# Altium PCB thermal_cam_sensor_jlc.PcbDoc (part 2 of 5)
Units mm, origin at the board's own origin, x right, y up, seen from the top; angles counter-clockwise.
Board outline 100 x 100 mm, 6 copper layers (Top Layer, GND1, Power1, Power2, GND2, Bottom Layer), stack 1.538 mm thick; 1209 components, 122 nets, 3633 pads, 2406 vias.
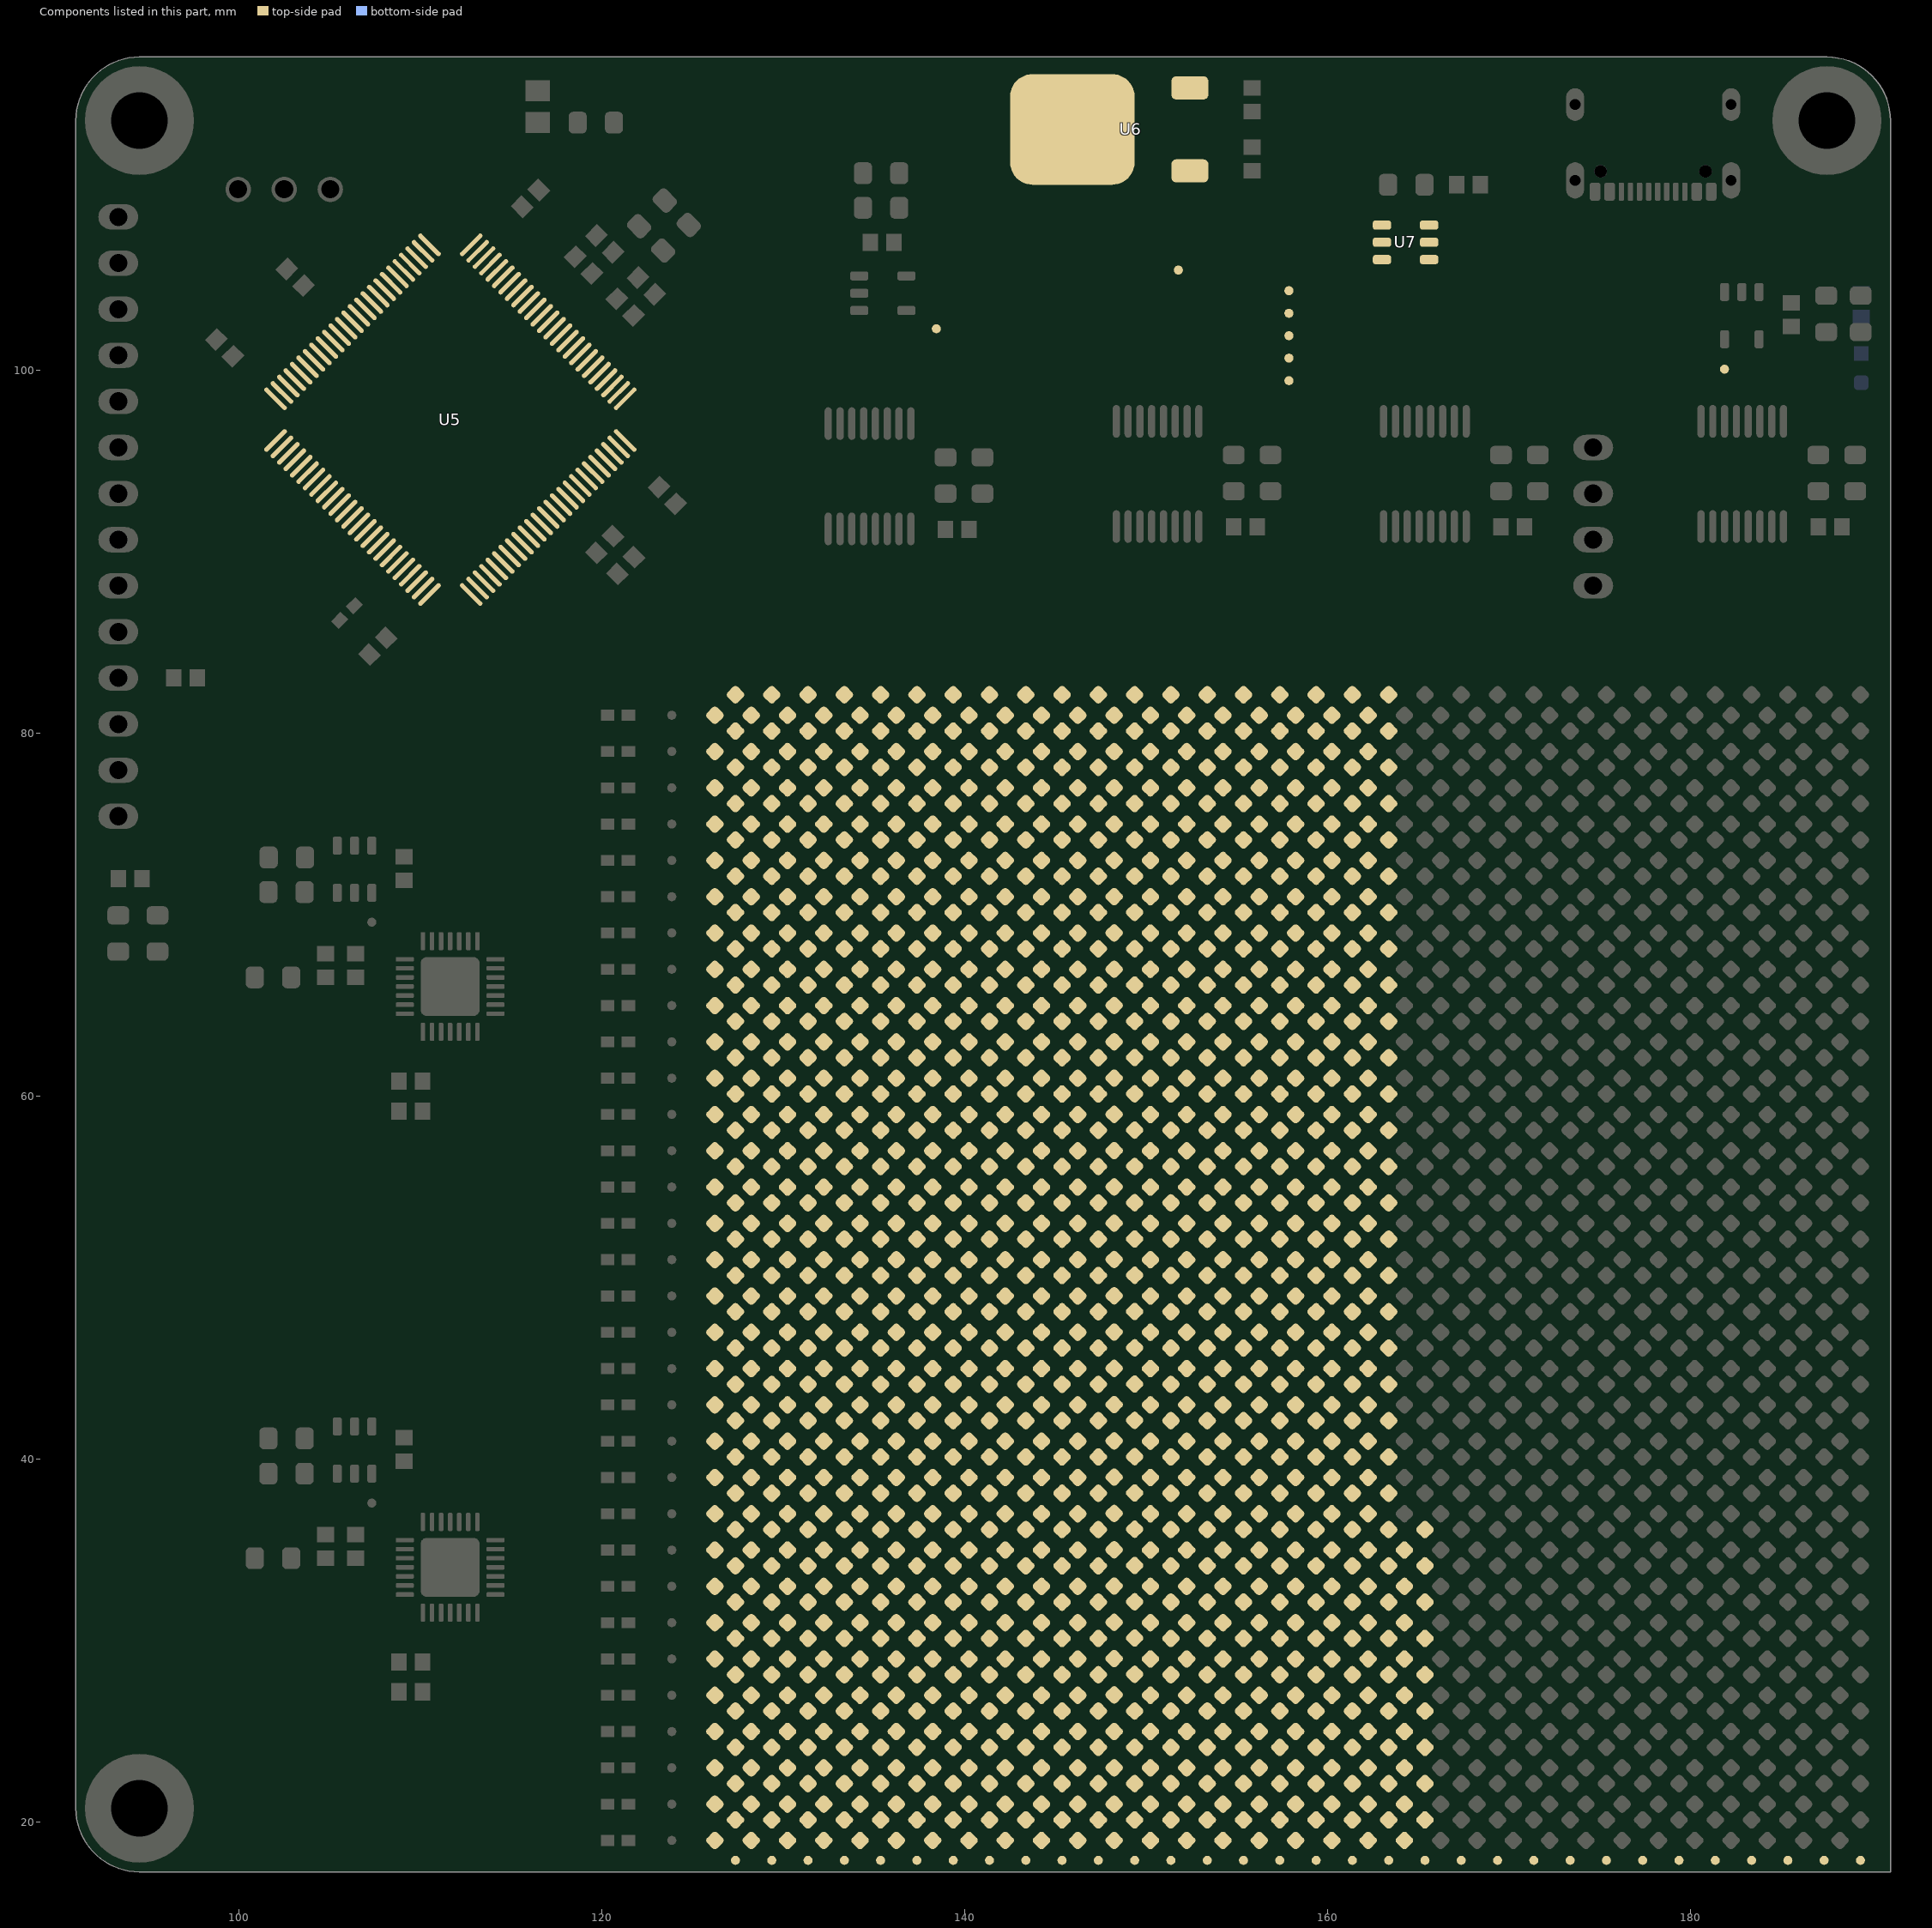
[diagram p6: the components of this part, seen from the top]

## Components (designator, comment, footprint, x,y, rotation, side; value= is the part's Value field where it differs from the comment) (continued)
T408 "B19H1PT--H9C000214U1930" LED0603W 164.791,35.568 r225 top
T409 "B19H1PT--H9C000214U1930" LED0603W 164.791,33.568 r225 top
T410 "B19H1PT--H9C000214U1930" LED0603W 164.791,31.568 r225 top
T411 "B19H1PT--H9C000214U1930" LED0603W 164.791,29.568 r225 top
T412 "B19H1PT--H9C000214U1930" LED0603W 164.791,27.568 r225 top
T413 "B19H1PT--H9C000214U1930" LED0603W 164.791,25.568 r225 top
T414 "B19H1PT--H9C000214U1930" LED0603W 164.791,23.568 r225 top
T415 "B19H1PT--H9C000214U1930" LED0603W 164.791,21.568 r225 top
T416 "B19H1PT--H9C000214U1930" LED0603W 164.791,19.568 r225 top
T417 "B19H1PT--H9C000214U1930" LED0603W 162.791,81.568 r225 top
T418 "B19H1PT--H9C000214U1930" LED0603W 162.791,79.568 r225 top
T419 "B19H1PT--H9C000214U1930" LED0603W 162.791,77.568 r225 top
T420 "B19H1PT--H9C000214U1930" LED0603W 162.791,75.568 r225 top
T421 "B19H1PT--H9C000214U1930" LED0603W 162.791,73.568 r225 top
T422 "B19H1PT--H9C000214U1930" LED0603W 162.791,71.568 r225 top
T423 "B19H1PT--H9C000214U1930" LED0603W 162.791,69.568 r225 top
T424 "B19H1PT--H9C000214U1930" LED0603W 162.791,67.568 r225 top
T425 "B19H1PT--H9C000214U1930" LED0603W 162.791,65.568 r225 top
T426 "B19H1PT--H9C000214U1930" LED0603W 162.791,63.568 r225 top
T427 "B19H1PT--H9C000214U1930" LED0603W 162.791,61.568 r225 top
T428 "B19H1PT--H9C000214U1930" LED0603W 162.791,59.568 r225 top
T429 "B19H1PT--H9C000214U1930" LED0603W 162.791,57.568 r225 top
T430 "B19H1PT--H9C000214U1930" LED0603W 162.791,55.568 r225 top
T431 "B19H1PT--H9C000214U1930" LED0603W 162.791,53.568 r225 top
T432 "B19H1PT--H9C000214U1930" LED0603W 162.791,51.568 r225 top
T433 "B19H1PT--H9C000214U1930" LED0603W 162.791,49.568 r225 top
T434 "B19H1PT--H9C000214U1930" LED0603W 162.791,47.568 r225 top
T435 "B19H1PT--H9C000214U1930" LED0603W 162.791,45.568 r225 top
T436 "B19H1PT--H9C000214U1930" LED0603W 162.791,43.568 r225 top
T437 "B19H1PT--H9C000214U1930" LED0603W 162.791,41.568 r225 top
T438 "B19H1PT--H9C000214U1930" LED0603W 162.791,39.568 r225 top
T439 "B19H1PT--H9C000214U1930" LED0603W 162.791,37.568 r225 top
T440 "B19H1PT--H9C000214U1930" LED0603W 162.791,35.568 r225 top
T441 "B19H1PT--H9C000214U1930" LED0603W 162.791,33.568 r225 top
T442 "B19H1PT--H9C000214U1930" LED0603W 162.791,31.568 r225 top
T443 "B19H1PT--H9C000214U1930" LED0603W 162.791,29.568 r225 top
T444 "B19H1PT--H9C000214U1930" LED0603W 162.791,27.568 r225 top
T445 "B19H1PT--H9C000214U1930" LED0603W 162.791,25.568 r225 top
T446 "B19H1PT--H9C000214U1930" LED0603W 162.791,23.568 r225 top
T447 "B19H1PT--H9C000214U1930" LED0603W 162.791,21.568 r225 top
T448 "B19H1PT--H9C000214U1930" LED0603W 162.791,19.568 r225 top
T449 "B19H1PT--H9C000214U1930" LED0603W 160.791,81.568 r225 top
T450 "B19H1PT--H9C000214U1930" LED0603W 160.791,79.568 r225 top
T451 "B19H1PT--H9C000214U1930" LED0603W 160.791,77.568 r225 top
T452 "B19H1PT--H9C000214U1930" LED0603W 160.791,75.568 r225 top
T453 "B19H1PT--H9C000214U1930" LED0603W 160.791,73.568 r225 top
T454 "B19H1PT--H9C000214U1930" LED0603W 160.791,71.568 r225 top
T455 "B19H1PT--H9C000214U1930" LED0603W 160.791,69.568 r225 top
T456 "B19H1PT--H9C000214U1930" LED0603W 160.791,67.568 r225 top
T457 "B19H1PT--H9C000214U1930" LED0603W 160.791,65.568 r225 top
T458 "B19H1PT--H9C000214U1930" LED0603W 160.791,63.568 r225 top
T459 "B19H1PT--H9C000214U1930" LED0603W 160.791,61.568 r225 top
T460 "B19H1PT--H9C000214U1930" LED0603W 160.791,59.568 r225 top
T461 "B19H1PT--H9C000214U1930" LED0603W 160.791,57.568 r225 top
T462 "B19H1PT--H9C000214U1930" LED0603W 160.791,55.568 r225 top
T463 "B19H1PT--H9C000214U1930" LED0603W 160.791,53.568 r225 top
T464 "B19H1PT--H9C000214U1930" LED0603W 160.791,51.568 r225 top
T465 "B19H1PT--H9C000214U1930" LED0603W 160.791,49.568 r225 top
T466 "B19H1PT--H9C000214U1930" LED0603W 160.791,47.568 r225 top
T467 "B19H1PT--H9C000214U1930" LED0603W 160.791,45.568 r225 top
T468 "B19H1PT--H9C000214U1930" LED0603W 160.791,43.568 r225 top
T469 "B19H1PT--H9C000214U1930" LED0603W 160.791,41.568 r225 top
T470 "B19H1PT--H9C000214U1930" LED0603W 160.791,39.568 r225 top
T471 "B19H1PT--H9C000214U1930" LED0603W 160.791,37.568 r225 top
T472 "B19H1PT--H9C000214U1930" LED0603W 160.791,35.568 r225 top
T473 "B19H1PT--H9C000214U1930" LED0603W 160.791,33.568 r225 top
T474 "B19H1PT--H9C000214U1930" LED0603W 160.791,31.568 r225 top
T475 "B19H1PT--H9C000214U1930" LED0603W 160.791,29.568 r225 top
T476 "B19H1PT--H9C000214U1930" LED0603W 160.791,27.568 r225 top
T477 "B19H1PT--H9C000214U1930" LED0603W 160.791,25.568 r225 top
T478 "B19H1PT--H9C000214U1930" LED0603W 160.791,23.568 r225 top
T479 "B19H1PT--H9C000214U1930" LED0603W 160.791,21.568 r225 top
T480 "B19H1PT--H9C000214U1930" LED0603W 160.791,19.568 r225 top
T481 "B19H1PT--H9C000214U1930" LED0603W 158.791,81.568 r225 top
T482 "B19H1PT--H9C000214U1930" LED0603W 158.791,79.568 r225 top
T483 "B19H1PT--H9C000214U1930" LED0603W 158.791,77.568 r225 top
T484 "B19H1PT--H9C000214U1930" LED0603W 158.791,75.568 r225 top
T485 "B19H1PT--H9C000214U1930" LED0603W 158.791,73.568 r225 top
T486 "B19H1PT--H9C000214U1930" LED0603W 158.791,71.568 r225 top
T487 "B19H1PT--H9C000214U1930" LED0603W 158.791,69.568 r225 top
T488 "B19H1PT--H9C000214U1930" LED0603W 158.791,67.568 r225 top
T489 "B19H1PT--H9C000214U1930" LED0603W 158.791,65.568 r225 top
T490 "B19H1PT--H9C000214U1930" LED0603W 158.791,63.568 r225 top
T491 "B19H1PT--H9C000214U1930" LED0603W 158.791,61.568 r225 top
T492 "B19H1PT--H9C000214U1930" LED0603W 158.791,59.568 r225 top
T493 "B19H1PT--H9C000214U1930" LED0603W 158.791,57.568 r225 top
T494 "B19H1PT--H9C000214U1930" LED0603W 158.791,55.568 r225 top
T495 "B19H1PT--H9C000214U1930" LED0603W 158.791,53.568 r225 top
T496 "B19H1PT--H9C000214U1930" LED0603W 158.791,51.568 r225 top
T497 "B19H1PT--H9C000214U1930" LED0603W 158.791,49.568 r225 top
T498 "B19H1PT--H9C000214U1930" LED0603W 158.791,47.568 r225 top
T499 "B19H1PT--H9C000214U1930" LED0603W 158.791,45.568 r225 top
T500 "B19H1PT--H9C000214U1930" LED0603W 158.791,43.568 r225 top
T501 "B19H1PT--H9C000214U1930" LED0603W 158.791,41.568 r225 top
T502 "B19H1PT--H9C000214U1930" LED0603W 158.791,39.568 r225 top
T503 "B19H1PT--H9C000214U1930" LED0603W 158.791,37.568 r225 top
T504 "B19H1PT--H9C000214U1930" LED0603W 158.791,35.568 r225 top
T505 "B19H1PT--H9C000214U1930" LED0603W 158.791,33.568 r225 top
T506 "B19H1PT--H9C000214U1930" LED0603W 158.791,31.568 r225 top
T507 "B19H1PT--H9C000214U1930" LED0603W 158.791,29.568 r225 top
T508 "B19H1PT--H9C000214U1930" LED0603W 158.791,27.568 r225 top
T509 "B19H1PT--H9C000214U1930" LED0603W 158.791,25.568 r225 top
T510 "B19H1PT--H9C000214U1930" LED0603W 158.791,23.568 r225 top
T511 "B19H1PT--H9C000214U1930" LED0603W 158.791,21.568 r225 top
T512 "B19H1PT--H9C000214U1930" LED0603W 158.791,19.568 r225 top
T513 "B19H1PT--H9C000214U1930" LED0603W 156.791,81.568 r225 top
T514 "B19H1PT--H9C000214U1930" LED0603W 156.791,79.568 r225 top
T515 "B19H1PT--H9C000214U1930" LED0603W 156.791,77.568 r225 top
T516 "B19H1PT--H9C000214U1930" LED0603W 156.791,75.568 r225 top
T517 "B19H1PT--H9C000214U1930" LED0603W 156.791,73.568 r225 top
T518 "B19H1PT--H9C000214U1930" LED0603W 156.791,71.568 r225 top
T519 "B19H1PT--H9C000214U1930" LED0603W 156.791,69.568 r225 top
T520 "B19H1PT--H9C000214U1930" LED0603W 156.791,67.568 r225 top
T521 "B19H1PT--H9C000214U1930" LED0603W 156.791,65.568 r225 top
T522 "B19H1PT--H9C000214U1930" LED0603W 156.791,63.568 r225 top
T523 "B19H1PT--H9C000214U1930" LED0603W 156.791,61.568 r225 top
T524 "B19H1PT--H9C000214U1930" LED0603W 156.791,59.568 r225 top
T525 "B19H1PT--H9C000214U1930" LED0603W 156.791,57.568 r225 top
T526 "B19H1PT--H9C000214U1930" LED0603W 156.791,55.568 r225 top
T527 "B19H1PT--H9C000214U1930" LED0603W 156.791,53.568 r225 top
T528 "B19H1PT--H9C000214U1930" LED0603W 156.791,51.568 r225 top
T529 "B19H1PT--H9C000214U1930" LED0603W 156.791,49.568 r225 top
T530 "B19H1PT--H9C000214U1930" LED0603W 156.791,47.568 r225 top
T531 "B19H1PT--H9C000214U1930" LED0603W 156.791,45.568 r225 top
T532 "B19H1PT--H9C000214U1930" LED0603W 156.791,43.568 r225 top
T533 "B19H1PT--H9C000214U1930" LED0603W 156.791,41.568 r225 top
T534 "B19H1PT--H9C000214U1930" LED0603W 156.791,39.568 r225 top
T535 "B19H1PT--H9C000214U1930" LED0603W 156.791,37.568 r225 top
T536 "B19H1PT--H9C000214U1930" LED0603W 156.791,35.568 r225 top
T537 "B19H1PT--H9C000214U1930" LED0603W 156.791,33.568 r225 top
T538 "B19H1PT--H9C000214U1930" LED0603W 156.791,31.568 r225 top
T539 "B19H1PT--H9C000214U1930" LED0603W 156.791,29.568 r225 top
T540 "B19H1PT--H9C000214U1930" LED0603W 156.791,27.568 r225 top
T541 "B19H1PT--H9C000214U1930" LED0603W 156.791,25.568 r225 top
T542 "B19H1PT--H9C000214U1930" LED0603W 156.791,23.568 r225 top
T543 "B19H1PT--H9C000214U1930" LED0603W 156.791,21.568 r225 top
T544 "B19H1PT--H9C000214U1930" LED0603W 156.791,19.568 r225 top
T545 "B19H1PT--H9C000214U1930" LED0603W 154.791,81.568 r225 top
T546 "B19H1PT--H9C000214U1930" LED0603W 154.791,79.568 r225 top
T547 "B19H1PT--H9C000214U1930" LED0603W 154.791,77.568 r225 top
T548 "B19H1PT--H9C000214U1930" LED0603W 154.791,75.568 r225 top
T549 "B19H1PT--H9C000214U1930" LED0603W 154.791,73.568 r225 top
T550 "B19H1PT--H9C000214U1930" LED0603W 154.791,71.568 r225 top
T551 "B19H1PT--H9C000214U1930" LED0603W 154.791,69.568 r225 top
T552 "B19H1PT--H9C000214U1930" LED0603W 154.791,67.568 r225 top
T553 "B19H1PT--H9C000214U1930" LED0603W 154.791,65.568 r225 top
T554 "B19H1PT--H9C000214U1930" LED0603W 154.791,63.568 r225 top
T555 "B19H1PT--H9C000214U1930" LED0603W 154.791,61.568 r225 top
T556 "B19H1PT--H9C000214U1930" LED0603W 154.791,59.568 r225 top
T557 "B19H1PT--H9C000214U1930" LED0603W 154.791,57.568 r225 top
T558 "B19H1PT--H9C000214U1930" LED0603W 154.791,55.568 r225 top
T559 "B19H1PT--H9C000214U1930" LED0603W 154.791,53.568 r225 top
T560 "B19H1PT--H9C000214U1930" LED0603W 154.791,51.568 r225 top
T561 "B19H1PT--H9C000214U1930" LED0603W 154.791,49.568 r225 top
T562 "B19H1PT--H9C000214U1930" LED0603W 154.791,47.568 r225 top
T563 "B19H1PT--H9C000214U1930" LED0603W 154.791,45.568 r225 top
T564 "B19H1PT--H9C000214U1930" LED0603W 154.791,43.568 r225 top
T565 "B19H1PT--H9C000214U1930" LED0603W 154.791,41.568 r225 top
T566 "B19H1PT--H9C000214U1930" LED0603W 154.791,39.568 r225 top
T567 "B19H1PT--H9C000214U1930" LED0603W 154.791,37.568 r225 top
T568 "B19H1PT--H9C000214U1930" LED0603W 154.791,35.568 r225 top
T569 "B19H1PT--H9C000214U1930" LED0603W 154.791,33.568 r225 top
T570 "B19H1PT--H9C000214U1930" LED0603W 154.791,31.568 r225 top
T571 "B19H1PT--H9C000214U1930" LED0603W 154.791,29.568 r225 top
T572 "B19H1PT--H9C000214U1930" LED0603W 154.791,27.568 r225 top
T573 "B19H1PT--H9C000214U1930" LED0603W 154.791,25.568 r225 top
T574 "B19H1PT--H9C000214U1930" LED0603W 154.791,23.568 r225 top
T575 "B19H1PT--H9C000214U1930" LED0603W 154.791,21.568 r225 top
T576 "B19H1PT--H9C000214U1930" LED0603W 154.791,19.568 r225 top
T577 "B19H1PT--H9C000214U1930" LED0603W 152.791,81.568 r225 top
T578 "B19H1PT--H9C000214U1930" LED0603W 152.791,79.568 r225 top
T579 "B19H1PT--H9C000214U1930" LED0603W 152.791,77.568 r225 top
T580 "B19H1PT--H9C000214U1930" LED0603W 152.791,75.568 r225 top
T581 "B19H1PT--H9C000214U1930" LED0603W 152.791,73.568 r225 top
T582 "B19H1PT--H9C000214U1930" LED0603W 152.791,71.568 r225 top
T583 "B19H1PT--H9C000214U1930" LED0603W 152.791,69.568 r225 top
T584 "B19H1PT--H9C000214U1930" LED0603W 152.791,67.568 r225 top
T585 "B19H1PT--H9C000214U1930" LED0603W 152.791,65.568 r225 top
T586 "B19H1PT--H9C000214U1930" LED0603W 152.791,63.568 r225 top
T587 "B19H1PT--H9C000214U1930" LED0603W 152.791,61.568 r225 top
T588 "B19H1PT--H9C000214U1930" LED0603W 152.791,59.568 r225 top
T589 "B19H1PT--H9C000214U1930" LED0603W 152.791,57.568 r225 top
T590 "B19H1PT--H9C000214U1930" LED0603W 152.791,55.568 r225 top
T591 "B19H1PT--H9C000214U1930" LED0603W 152.791,53.568 r225 top
T592 "B19H1PT--H9C000214U1930" LED0603W 152.791,51.568 r225 top
T593 "B19H1PT--H9C000214U1930" LED0603W 152.791,49.568 r225 top
T594 "B19H1PT--H9C000214U1930" LED0603W 152.791,47.568 r225 top
T595 "B19H1PT--H9C000214U1930" LED0603W 152.791,45.568 r225 top
T596 "B19H1PT--H9C000214U1930" LED0603W 152.791,43.568 r225 top
T597 "B19H1PT--H9C000214U1930" LED0603W 152.791,41.568 r225 top
T598 "B19H1PT--H9C000214U1930" LED0603W 152.791,39.568 r225 top
T599 "B19H1PT--H9C000214U1930" LED0603W 152.791,37.568 r225 top
T600 "B19H1PT--H9C000214U1930" LED0603W 152.791,35.568 r225 top
T601 "B19H1PT--H9C000214U1930" LED0603W 152.791,33.568 r225 top
T602 "B19H1PT--H9C000214U1930" LED0603W 152.791,31.568 r225 top
T603 "B19H1PT--H9C000214U1930" LED0603W 152.791,29.568 r225 top
T604 "B19H1PT--H9C000214U1930" LED0603W 152.791,27.568 r225 top
T605 "B19H1PT--H9C000214U1930" LED0603W 152.791,25.568 r225 top
T606 "B19H1PT--H9C000214U1930" LED0603W 152.791,23.568 r225 top
T607 "B19H1PT--H9C000214U1930" LED0603W 152.791,21.568 r225 top
T608 "B19H1PT--H9C000214U1930" LED0603W 152.791,19.568 r225 top
T609 "B19H1PT--H9C000214U1930" LED0603W 150.791,81.568 r225 top
T610 "B19H1PT--H9C000214U1930" LED0603W 150.791,79.568 r225 top
T611 "B19H1PT--H9C000214U1930" LED0603W 150.791,77.568 r225 top
T612 "B19H1PT--H9C000214U1930" LED0603W 150.791,75.568 r225 top
T613 "B19H1PT--H9C000214U1930" LED0603W 150.791,73.568 r225 top
T614 "B19H1PT--H9C000214U1930" LED0603W 150.791,71.568 r225 top
T615 "B19H1PT--H9C000214U1930" LED0603W 150.791,69.568 r225 top
T616 "B19H1PT--H9C000214U1930" LED0603W 150.791,67.568 r225 top
T617 "B19H1PT--H9C000214U1930" LED0603W 150.791,65.568 r225 top
T618 "B19H1PT--H9C000214U1930" LED0603W 150.791,63.568 r225 top
T619 "B19H1PT--H9C000214U1930" LED0603W 150.791,61.568 r225 top
T620 "B19H1PT--H9C000214U1930" LED0603W 150.791,59.568 r225 top
T621 "B19H1PT--H9C000214U1930" LED0603W 150.791,57.568 r225 top
T622 "B19H1PT--H9C000214U1930" LED0603W 150.791,55.568 r225 top
T623 "B19H1PT--H9C000214U1930" LED0603W 150.791,53.568 r225 top
T624 "B19H1PT--H9C000214U1930" LED0603W 150.791,51.568 r225 top
T625 "B19H1PT--H9C000214U1930" LED0603W 150.791,49.568 r225 top
T626 "B19H1PT--H9C000214U1930" LED0603W 150.791,47.568 r225 top
T627 "B19H1PT--H9C000214U1930" LED0603W 150.791,45.568 r225 top
T628 "B19H1PT--H9C000214U1930" LED0603W 150.791,43.568 r225 top
T629 "B19H1PT--H9C000214U1930" LED0603W 150.791,41.568 r225 top
T630 "B19H1PT--H9C000214U1930" LED0603W 150.791,39.568 r225 top
T631 "B19H1PT--H9C000214U1930" LED0603W 150.791,37.568 r225 top
T632 "B19H1PT--H9C000214U1930" LED0603W 150.791,35.568 r225 top
T633 "B19H1PT--H9C000214U1930" LED0603W 150.791,33.568 r225 top
T634 "B19H1PT--H9C000214U1930" LED0603W 150.791,31.568 r225 top
T635 "B19H1PT--H9C000214U1930" LED0603W 150.791,29.568 r225 top
T636 "B19H1PT--H9C000214U1930" LED0603W 150.791,27.568 r225 top
T637 "B19H1PT--H9C000214U1930" LED0603W 150.791,25.568 r225 top
T638 "B19H1PT--H9C000214U1930" LED0603W 150.791,23.568 r225 top
T639 "B19H1PT--H9C000214U1930" LED0603W 150.791,21.568 r225 top
T640 "B19H1PT--H9C000214U1930" LED0603W 150.791,19.568 r225 top
T641 "B19H1PT--H9C000214U1930" LED0603W 148.791,81.568 r225 top
T642 "B19H1PT--H9C000214U1930" LED0603W 148.791,79.568 r225 top
T643 "B19H1PT--H9C000214U1930" LED0603W 148.791,77.569 r225 top
T644 "B19H1PT--H9C000214U1930" LED0603W 148.791,75.57 r225 top
T645 "B19H1PT--H9C000214U1930" LED0603W 148.791,73.571 r225 top
T646 "B19H1PT--H9C000214U1930" LED0603W 148.791,71.571 r225 top
T647 "B19H1PT--H9C000214U1930" LED0603W 148.791,69.572 r225 top
T648 "B19H1PT--H9C000214U1930" LED0603W 148.791,67.573 r225 top
T649 "B19H1PT--H9C000214U1930" LED0603W 148.791,65.574 r225 top
T650 "B19H1PT--H9C000214U1930" LED0603W 148.791,63.575 r225 top
T651 "B19H1PT--H9C000214U1930" LED0603W 148.791,61.575 r225 top
T652 "B19H1PT--H9C000214U1930" LED0603W 148.791,59.576 r225 top
T653 "B19H1PT--H9C000214U1930" LED0603W 148.791,57.577 r225 top
T654 "B19H1PT--H9C000214U1930" LED0603W 148.791,55.578 r225 top
T655 "B19H1PT--H9C000214U1930" LED0603W 148.791,53.578 r225 top
T656 "B19H1PT--H9C000214U1930" LED0603W 148.791,51.579 r225 top
T657 "B19H1PT--H9C000214U1930" LED0603W 148.791,49.58 r225 top
T658 "B19H1PT--H9C000214U1930" LED0603W 148.791,47.581 r225 top
T659 "B19H1PT--H9C000214U1930" LED0603W 148.791,45.582 r225 top
T660 "B19H1PT--H9C000214U1930" LED0603W 148.791,43.582 r225 top
T661 "B19H1PT--H9C000214U1930" LED0603W 148.791,41.583 r225 top
T662 "B19H1PT--H9C000214U1930" LED0603W 148.791,39.584 r225 top
T663 "B19H1PT--H9C000214U1930" LED0603W 148.791,37.585 r225 top
T664 "B19H1PT--H9C000214U1930" LED0603W 148.791,35.585 r225 top
T665 "B19H1PT--H9C000214U1930" LED0603W 148.791,33.586 r225 top
T666 "B19H1PT--H9C000214U1930" LED0603W 148.791,31.587 r225 top
T667 "B19H1PT--H9C000214U1930" LED0603W 148.791,29.588 r225 top
T668 "B19H1PT--H9C000214U1930" LED0603W 148.791,27.588 r225 top
T669 "B19H1PT--H9C000214U1930" LED0603W 148.791,25.568 r225 top
T670 "B19H1PT--H9C000214U1930" LED0603W 148.791,23.568 r225 top
T671 "B19H1PT--H9C000214U1930" LED0603W 148.791,21.568 r225 top
T672 "B19H1PT--H9C000214U1930" LED0603W 148.791,19.568 r225 top
T673 "B19H1PT--H9C000214U1930" LED0603W 146.791,81.568 r225 top
T674 "B19H1PT--H9C000214U1930" LED0603W 146.791,79.568 r225 top
T675 "B19H1PT--H9C000214U1930" LED0603W 146.791,77.568 r225 top
T676 "B19H1PT--H9C000214U1930" LED0603W 146.791,75.568 r225 top
T677 "B19H1PT--H9C000214U1930" LED0603W 146.791,73.568 r225 top
T678 "B19H1PT--H9C000214U1930" LED0603W 146.791,71.568 r225 top
T679 "B19H1PT--H9C000214U1930" LED0603W 146.791,69.568 r225 top
T680 "B19H1PT--H9C000214U1930" LED0603W 146.791,67.568 r225 top
T681 "B19H1PT--H9C000214U1930" LED0603W 146.791,65.568 r225 top
T682 "B19H1PT--H9C000214U1930" LED0603W 146.791,63.568 r225 top
T683 "B19H1PT--H9C000214U1930" LED0603W 146.791,61.568 r225 top
T684 "B19H1PT--H9C000214U1930" LED0603W 146.791,59.568 r225 top
T685 "B19H1PT--H9C000214U1930" LED0603W 146.791,57.568 r225 top
T686 "B19H1PT--H9C000214U1930" LED0603W 146.791,55.568 r225 top
T687 "B19H1PT--H9C000214U1930" LED0603W 146.791,53.568 r225 top
T688 "B19H1PT--H9C000214U1930" LED0603W 146.791,51.568 r225 top
T689 "B19H1PT--H9C000214U1930" LED0603W 146.791,49.568 r225 top
T690 "B19H1PT--H9C000214U1930" LED0603W 146.791,47.568 r225 top
T691 "B19H1PT--H9C000214U1930" LED0603W 146.791,45.568 r225 top
T692 "B19H1PT--H9C000214U1930" LED0603W 146.791,43.568 r225 top
T693 "B19H1PT--H9C000214U1930" LED0603W 146.791,41.568 r225 top
T694 "B19H1PT--H9C000214U1930" LED0603W 146.791,39.568 r225 top
T695 "B19H1PT--H9C000214U1930" LED0603W 146.791,37.568 r225 top
T696 "B19H1PT--H9C000214U1930" LED0603W 146.791,35.568 r225 top
T697 "B19H1PT--H9C000214U1930" LED0603W 146.791,33.568 r225 top
T698 "B19H1PT--H9C000214U1930" LED0603W 146.791,31.568 r225 top
T699 "B19H1PT--H9C000214U1930" LED0603W 146.791,29.568 r225 top
T700 "B19H1PT--H9C000214U1930" LED0603W 146.791,27.568 r225 top
T701 "B19H1PT--H9C000214U1930" LED0603W 146.791,25.568 r225 top
T702 "B19H1PT--H9C000214U1930" LED0603W 146.791,23.568 r225 top
T703 "B19H1PT--H9C000214U1930" LED0603W 146.791,21.568 r225 top
T704 "B19H1PT--H9C000214U1930" LED0603W 146.791,19.568 r225 top
T705 "B19H1PT--H9C000214U1930" LED0603W 144.791,81.568 r225 top
T706 "B19H1PT--H9C000214U1930" LED0603W 144.791,79.568 r225 top
T707 "B19H1PT--H9C000214U1930" LED0603W 144.791,77.568 r225 top
T708 "B19H1PT--H9C000214U1930" LED0603W 144.791,75.568 r225 top
T709 "B19H1PT--H9C000214U1930" LED0603W 144.791,73.568 r225 top
T710 "B19H1PT--H9C000214U1930" LED0603W 144.791,71.568 r225 top
T711 "B19H1PT--H9C000214U1930" LED0603W 144.791,69.568 r225 top
T712 "B19H1PT--H9C000214U1930" LED0603W 144.791,67.568 r225 top
T713 "B19H1PT--H9C000214U1930" LED0603W 144.791,65.568 r225 top
T714 "B19H1PT--H9C000214U1930" LED0603W 144.791,63.568 r225 top
T715 "B19H1PT--H9C000214U1930" LED0603W 144.791,61.568 r225 top
T716 "B19H1PT--H9C000214U1930" LED0603W 144.791,59.568 r225 top
T717 "B19H1PT--H9C000214U1930" LED0603W 144.791,57.568 r225 top
T718 "B19H1PT--H9C000214U1930" LED0603W 144.791,55.568 r225 top
T719 "B19H1PT--H9C000214U1930" LED0603W 144.791,53.568 r225 top
T720 "B19H1PT--H9C000214U1930" LED0603W 144.791,51.568 r225 top
T721 "B19H1PT--H9C000214U1930" LED0603W 144.791,49.568 r225 top
T722 "B19H1PT--H9C000214U1930" LED0603W 144.791,47.568 r225 top
T723 "B19H1PT--H9C000214U1930" LED0603W 144.791,45.568 r225 top
T724 "B19H1PT--H9C000214U1930" LED0603W 144.791,43.568 r225 top
T725 "B19H1PT--H9C000214U1930" LED0603W 144.791,41.568 r225 top
T726 "B19H1PT--H9C000214U1930" LED0603W 144.791,39.568 r225 top
T727 "B19H1PT--H9C000214U1930" LED0603W 144.791,37.568 r225 top
T728 "B19H1PT--H9C000214U1930" LED0603W 144.791,35.568 r225 top
T729 "B19H1PT--H9C000214U1930" LED0603W 144.791,33.568 r225 top
T730 "B19H1PT--H9C000214U1930" LED0603W 144.791,31.568 r225 top
T731 "B19H1PT--H9C000214U1930" LED0603W 144.791,29.568 r225 top
T732 "B19H1PT--H9C000214U1930" LED0603W 144.791,27.568 r225 top
T733 "B19H1PT--H9C000214U1930" LED0603W 144.791,25.568 r225 top
T734 "B19H1PT--H9C000214U1930" LED0603W 144.791,23.568 r225 top
T735 "B19H1PT--H9C000214U1930" LED0603W 144.791,21.568 r225 top
T736 "B19H1PT--H9C000214U1930" LED0603W 144.791,19.568 r225 top
T737 "B19H1PT--H9C000214U1930" LED0603W 142.791,81.568 r225 top
T738 "B19H1PT--H9C000214U1930" LED0603W 142.791,79.568 r225 top
T739 "B19H1PT--H9C000214U1930" LED0603W 142.791,77.568 r225 top
T740 "B19H1PT--H9C000214U1930" LED0603W 142.791,75.568 r225 top
T741 "B19H1PT--H9C000214U1930" LED0603W 142.791,73.568 r225 top
T742 "B19H1PT--H9C000214U1930" LED0603W 142.791,71.568 r225 top
T743 "B19H1PT--H9C000214U1930" LED0603W 142.791,69.568 r225 top
T744 "B19H1PT--H9C000214U1930" LED0603W 142.791,67.568 r225 top
T745 "B19H1PT--H9C000214U1930" LED0603W 142.791,65.568 r225 top
T746 "B19H1PT--H9C000214U1930" LED0603W 142.791,63.568 r225 top
T747 "B19H1PT--H9C000214U1930" LED0603W 142.791,61.568 r225 top
T748 "B19H1PT--H9C000214U1930" LED0603W 142.791,59.568 r225 top
T749 "B19H1PT--H9C000214U1930" LED0603W 142.791,57.568 r225 top
T750 "B19H1PT--H9C000214U1930" LED0603W 142.791,55.568 r225 top
T751 "B19H1PT--H9C000214U1930" LED0603W 142.791,53.568 r225 top
T752 "B19H1PT--H9C000214U1930" LED0603W 142.791,51.568 r225 top
T753 "B19H1PT--H9C000214U1930" LED0603W 142.791,49.568 r225 top
T754 "B19H1PT--H9C000214U1930" LED0603W 142.791,47.568 r225 top
T755 "B19H1PT--H9C000214U1930" LED0603W 142.791,45.568 r225 top
T756 "B19H1PT--H9C000214U1930" LED0603W 142.791,43.568 r225 top
T757 "B19H1PT--H9C000214U1930" LED0603W 142.791,41.568 r225 top
T758 "B19H1PT--H9C000214U1930" LED0603W 142.791,39.568 r225 top
T759 "B19H1PT--H9C000214U1930" LED0603W 142.791,37.568 r225 top
T760 "B19H1PT--H9C000214U1930" LED0603W 142.791,35.568 r225 top
T761 "B19H1PT--H9C000214U1930" LED0603W 142.791,33.568 r225 top
T762 "B19H1PT--H9C000214U1930" LED0603W 142.791,31.568 r225 top
T763 "B19H1PT--H9C000214U1930" LED0603W 142.791,29.568 r225 top
T764 "B19H1PT--H9C000214U1930" LED0603W 142.791,27.568 r225 top
T765 "B19H1PT--H9C000214U1930" LED0603W 142.791,25.568 r225 top
T766 "B19H1PT--H9C000214U1930" LED0603W 142.791,23.568 r225 top
T767 "B19H1PT--H9C000214U1930" LED0603W 142.791,21.568 r225 top
T768 "B19H1PT--H9C000214U1930" LED0603W 142.791,19.568 r225 top
T769 "B19H1PT--H9C000214U1930" LED0603W 140.791,81.568 r225 top
T770 "B19H1PT--H9C000214U1930" LED0603W 140.791,79.568 r225 top
T771 "B19H1PT--H9C000214U1930" LED0603W 140.791,77.568 r225 top
T772 "B19H1PT--H9C000214U1930" LED0603W 140.791,75.568 r225 top
T773 "B19H1PT--H9C000214U1930" LED0603W 140.791,73.568 r225 top
T774 "B19H1PT--H9C000214U1930" LED0603W 140.791,71.568 r225 top
T775 "B19H1PT--H9C000214U1930" LED0603W 140.791,69.568 r225 top
T776 "B19H1PT--H9C000214U1930" LED0603W 140.791,67.568 r225 top
T777 "B19H1PT--H9C000214U1930" LED0603W 140.791,65.568 r225 top
T778 "B19H1PT--H9C000214U1930" LED0603W 140.791,63.568 r225 top
T779 "B19H1PT--H9C000214U1930" LED0603W 140.791,61.568 r225 top
T780 "B19H1PT--H9C000214U1930" LED0603W 140.791,59.568 r225 top
T781 "B19H1PT--H9C000214U1930" LED0603W 140.791,57.568 r225 top
T782 "B19H1PT--H9C000214U1930" LED0603W 140.791,55.568 r225 top
T783 "B19H1PT--H9C000214U1930" LED0603W 140.791,53.568 r225 top
T784 "B19H1PT--H9C000214U1930" LED0603W 140.791,51.568 r225 top
T785 "B19H1PT--H9C000214U1930" LED0603W 140.791,49.568 r225 top
T786 "B19H1PT--H9C000214U1930" LED0603W 140.791,47.568 r225 top
T787 "B19H1PT--H9C000214U1930" LED0603W 140.791,45.568 r225 top
T788 "B19H1PT--H9C000214U1930" LED0603W 140.791,43.568 r225 top
T789 "B19H1PT--H9C000214U1930" LED0603W 140.791,41.568 r225 top
T790 "B19H1PT--H9C000214U1930" LED0603W 140.791,39.568 r225 top
T791 "B19H1PT--H9C000214U1930" LED0603W 140.791,37.568 r225 top
T792 "B19H1PT--H9C000214U1930" LED0603W 140.791,35.568 r225 top
T793 "B19H1PT--H9C000214U1930" LED0603W 140.791,33.568 r225 top
T794 "B19H1PT--H9C000214U1930" LED0603W 140.791,31.568 r225 top
T795 "B19H1PT--H9C000214U1930" LED0603W 140.791,29.568 r225 top
T796 "B19H1PT--H9C000214U1930" LED0603W 140.791,27.568 r225 top
T797 "B19H1PT--H9C000214U1930" LED0603W 140.791,25.568 r225 top
T798 "B19H1PT--H9C000214U1930" LED0603W 140.791,23.568 r225 top
T799 "B19H1PT--H9C000214U1930" LED0603W 140.791,21.568 r225 top
T800 "B19H1PT--H9C000214U1930" LED0603W 140.791,19.568 r225 top
T801 "B19H1PT--H9C000214U1930" LED0603W 138.791,81.567 r225 top
T802 "B19H1PT--H9C000214U1930" LED0603W 138.791,79.567 r225 top
T803 "B19H1PT--H9C000214U1930" LED0603W 138.791,77.567 r225 top
T804 "B19H1PT--H9C000214U1930" LED0603W 138.791,75.567 r225 top
T805 "B19H1PT--H9C000214U1930" LED0603W 138.791,73.568 r225 top
T806 "B19H1PT--H9C000214U1930" LED0603W 138.791,71.568 r225 top
T807 "B19H1PT--H9C000214U1930" LED0603W 138.791,69.568 r225 top
T808 "B19H1PT--H9C000214U1930" LED0603W 138.791,67.568 r225 top
T809 "B19H1PT--H9C000214U1930" LED0603W 138.791,65.568 r225 top
T810 "B19H1PT--H9C000214U1930" LED0603W 138.791,63.568 r225 top
T811 "B19H1PT--H9C000214U1930" LED0603W 138.791,61.568 r225 top
T812 "B19H1PT--H9C000214U1930" LED0603W 138.791,59.568 r225 top
T813 "B19H1PT--H9C000214U1930" LED0603W 138.791,57.568 r225 top
T814 "B19H1PT--H9C000214U1930" LED0603W 138.791,55.568 r225 top
T815 "B19H1PT--H9C000214U1930" LED0603W 138.791,53.568 r225 top
T816 "B19H1PT--H9C000214U1930" LED0603W 138.791,51.568 r225 top
T817 "B19H1PT--H9C000214U1930" LED0603W 138.791,49.568 r225 top
T818 "B19H1PT--H9C000214U1930" LED0603W 138.791,47.568 r225 top
T819 "B19H1PT--H9C000214U1930" LED0603W 138.791,45.568 r225 top
T820 "B19H1PT--H9C000214U1930" LED0603W 138.791,43.568 r225 top
T821 "B19H1PT--H9C000214U1930" LED0603W 138.791,41.568 r225 top
T822 "B19H1PT--H9C000214U1930" LED0603W 138.791,39.568 r225 top
T823 "B19H1PT--H9C000214U1930" LED0603W 138.791,37.568 r225 top
T824 "B19H1PT--H9C000214U1930" LED0603W 138.791,35.568 r225 top
T825 "B19H1PT--H9C000214U1930" LED0603W 138.791,33.568 r225 top
T826 "B19H1PT--H9C000214U1930" LED0603W 138.791,31.568 r225 top
T827 "B19H1PT--H9C000214U1930" LED0603W 138.791,29.568 r225 top
T828 "B19H1PT--H9C000214U1930" LED0603W 138.791,27.568 r225 top
T829 "B19H1PT--H9C000214U1930" LED0603W 138.791,25.568 r225 top
T830 "B19H1PT--H9C000214U1930" LED0603W 138.791,23.568 r225 top
T831 "B19H1PT--H9C000214U1930" LED0603W 138.791,21.568 r225 top
T832 "B19H1PT--H9C000214U1930" LED0603W 138.791,19.568 r225 top
T833 "B19H1PT--H9C000214U1930" LED0603W 136.791,81.567 r225 top
T834 "B19H1PT--H9C000214U1930" LED0603W 136.791,79.567 r225 top
T835 "B19H1PT--H9C000214U1930" LED0603W 136.791,77.567 r225 top
T836 "B19H1PT--H9C000214U1930" LED0603W 136.791,75.567 r225 top
T837 "B19H1PT--H9C000214U1930" LED0603W 136.791,73.567 r225 top
T838 "B19H1PT--H9C000214U1930" LED0603W 136.791,71.567 r225 top
T839 "B19H1PT--H9C000214U1930" LED0603W 136.791,69.567 r225 top
T840 "B19H1PT--H9C000214U1930" LED0603W 136.791,67.567 r225 top
T841 "B19H1PT--H9C000214U1930" LED0603W 136.791,65.567 r225 top
T842 "B19H1PT--H9C000214U1930" LED0603W 136.791,63.568 r225 top
T843 "B19H1PT--H9C000214U1930" LED0603W 136.791,61.568 r225 top
T844 "B19H1PT--H9C000214U1930" LED0603W 136.791,59.568 r225 top
T845 "B19H1PT--H9C000214U1930" LED0603W 136.791,57.568 r225 top
T846 "B19H1PT--H9C000214U1930" LED0603W 136.791,55.568 r225 top
T847 "B19H1PT--H9C000214U1930" LED0603W 136.791,53.568 r225 top
T848 "B19H1PT--H9C000214U1930" LED0603W 136.791,51.568 r225 top
T849 "B19H1PT--H9C000214U1930" LED0603W 136.791,49.568 r225 top
T850 "B19H1PT--H9C000214U1930" LED0603W 136.791,47.568 r225 top
T851 "B19H1PT--H9C000214U1930" LED0603W 136.791,45.568 r225 top
T852 "B19H1PT--H9C000214U1930" LED0603W 136.791,43.568 r225 top
T853 "B19H1PT--H9C000214U1930" LED0603W 136.791,41.568 r225 top
T854 "B19H1PT--H9C000214U1930" LED0603W 136.791,39.568 r225 top
T855 "B19H1PT--H9C000214U1930" LED0603W 136.791,37.568 r225 top
T856 "B19H1PT--H9C000214U1930" LED0603W 136.791,35.568 r225 top
T857 "B19H1PT--H9C000214U1930" LED0603W 136.791,33.568 r225 top
T858 "B19H1PT--H9C000214U1930" LED0603W 136.791,31.568 r225 top
T859 "B19H1PT--H9C000214U1930" LED0603W 136.791,29.568 r225 top
T860 "B19H1PT--H9C000214U1930" LED0603W 136.791,27.568 r225 top
T861 "B19H1PT--H9C000214U1930" LED0603W 136.791,25.568 r225 top
T862 "B19H1PT--H9C000214U1930" LED0603W 136.791,23.568 r225 top
T863 "B19H1PT--H9C000214U1930" LED0603W 136.791,21.568 r225 top
T864 "B19H1PT--H9C000214U1930" LED0603W 136.791,19.568 r225 top
T865 "B19H1PT--H9C000214U1930" LED0603W 134.791,81.567 r225 top
T866 "B19H1PT--H9C000214U1930" LED0603W 134.791,79.567 r225 top
T867 "B19H1PT--H9C000214U1930" LED0603W 134.791,77.567 r225 top
T868 "B19H1PT--H9C000214U1930" LED0603W 134.791,75.567 r225 top
T869 "B19H1PT--H9C000214U1930" LED0603W 134.791,73.567 r225 top
T870 "B19H1PT--H9C000214U1930" LED0603W 134.791,71.567 r225 top
T871 "B19H1PT--H9C000214U1930" LED0603W 134.791,69.567 r225 top
T872 "B19H1PT--H9C000214U1930" LED0603W 134.791,67.567 r225 top
T873 "B19H1PT--H9C000214U1930" LED0603W 134.791,65.567 r225 top
T874 "B19H1PT--H9C000214U1930" LED0603W 134.791,63.567 r225 top
T875 "B19H1PT--H9C000214U1930" LED0603W 134.791,61.567 r225 top
T876 "B19H1PT--H9C000214U1930" LED0603W 134.791,59.567 r225 top
T877 "B19H1PT--H9C000214U1930" LED0603W 134.791,57.567 r225 top
T878 "B19H1PT--H9C000214U1930" LED0603W 134.791,55.567 r225 top
T879 "B19H1PT--H9C000214U1930" LED0603W 134.791,53.568 r225 top
T880 "B19H1PT--H9C000214U1930" LED0603W 134.791,51.568 r225 top
T881 "B19H1PT--H9C000214U1930" LED0603W 134.791,49.568 r225 top
T882 "B19H1PT--H9C000214U1930" LED0603W 134.791,47.568 r225 top
T883 "B19H1PT--H9C000214U1930" LED0603W 134.791,45.568 r225 top
T884 "B19H1PT--H9C000214U1930" LED0603W 134.791,43.568 r225 top
T885 "B19H1PT--H9C000214U1930" LED0603W 134.791,41.568 r225 top
T886 "B19H1PT--H9C000214U1930" LED0603W 134.791,39.568 r225 top
T887 "B19H1PT--H9C000214U1930" LED0603W 134.791,37.568 r225 top
T888 "B19H1PT--H9C000214U1930" LED0603W 134.791,35.568 r225 top
T889 "B19H1PT--H9C000214U1930" LED0603W 134.791,33.568 r225 top
T890 "B19H1PT--H9C000214U1930" LED0603W 134.791,31.568 r225 top
T891 "B19H1PT--H9C000214U1930" LED0603W 134.791,29.568 r225 top
T892 "B19H1PT--H9C000214U1930" LED0603W 134.791,27.568 r225 top
T893 "B19H1PT--H9C000214U1930" LED0603W 134.791,25.568 r225 top
T894 "B19H1PT--H9C000214U1930" LED0603W 134.791,23.568 r225 top
T895 "B19H1PT--H9C000214U1930" LED0603W 134.791,21.568 r225 top
T896 "B19H1PT--H9C000214U1930" LED0603W 134.791,19.568 r225 top
T897 "B19H1PT--H9C000214U1930" LED0603W 132.791,81.567 r225 top
T898 "B19H1PT--H9C000214U1930" LED0603W 132.791,79.567 r225 top
T899 "B19H1PT--H9C000214U1930" LED0603W 132.791,77.567 r225 top
T900 "B19H1PT--H9C000214U1930" LED0603W 132.791,75.567 r225 top
T901 "B19H1PT--H9C000214U1930" LED0603W 132.791,73.567 r225 top
T902 "B19H1PT--H9C000214U1930" LED0603W 132.791,71.567 r225 top
T903 "B19H1PT--H9C000214U1930" LED0603W 132.791,69.567 r225 top
T904 "B19H1PT--H9C000214U1930" LED0603W 132.791,67.567 r225 top
T905 "B19H1PT--H9C000214U1930" LED0603W 132.791,65.567 r225 top
T906 "B19H1PT--H9C000214U1930" LED0603W 132.791,63.567 r225 top
T907 "B19H1PT--H9C000214U1930" LED0603W 132.791,61.567 r225 top
T908 "B19H1PT--H9C000214U1930" LED0603W 132.791,59.567 r225 top
T909 "B19H1PT--H9C000214U1930" LED0603W 132.791,57.567 r225 top
T910 "B19H1PT--H9C000214U1930" LED0603W 132.791,55.567 r225 top
T911 "B19H1PT--H9C000214U1930" LED0603W 132.791,53.567 r225 top
T912 "B19H1PT--H9C000214U1930" LED0603W 132.791,51.567 r225 top
T913 "B19H1PT--H9C000214U1930" LED0603W 132.791,49.567 r225 top
T914 "B19H1PT--H9C000214U1930" LED0603W 132.791,47.567 r225 top
T915 "B19H1PT--H9C000214U1930" LED0603W 132.791,45.567 r225 top
T916 "B19H1PT--H9C000214U1930" LED0603W 132.791,43.567 r225 top
T917 "B19H1PT--H9C000214U1930" LED0603W 132.791,41.568 r225 top
T918 "B19H1PT--H9C000214U1930" LED0603W 132.791,39.568 r225 top
T919 "B19H1PT--H9C000214U1930" LED0603W 132.791,37.568 r225 top
T920 "B19H1PT--H9C000214U1930" LED0603W 132.791,35.568 r225 top
T921 "B19H1PT--H9C000214U1930" LED0603W 132.791,33.568 r225 top
T922 "B19H1PT--H9C000214U1930" LED0603W 132.791,31.568 r225 top
T923 "B19H1PT--H9C000214U1930" LED0603W 132.791,29.568 r225 top
T924 "B19H1PT--H9C000214U1930" LED0603W 132.791,27.568 r225 top
T925 "B19H1PT--H9C000214U1930" LED0603W 132.791,25.568 r225 top
T926 "B19H1PT--H9C000214U1930" LED0603W 132.791,23.568 r225 top
T927 "B19H1PT--H9C000214U1930" LED0603W 132.791,21.568 r225 top
T928 "B19H1PT--H9C000214U1930" LED0603W 132.791,19.568 r225 top
T929 "B19H1PT--H9C000214U1930" LED0603W 130.791,81.567 r225 top
T930 "B19H1PT--H9C000214U1930" LED0603W 130.791,79.567 r225 top
T931 "B19H1PT--H9C000214U1930" LED0603W 130.791,77.567 r225 top
T932 "B19H1PT--H9C000214U1930" LED0603W 130.791,75.567 r225 top
T933 "B19H1PT--H9C000214U1930" LED0603W 130.791,73.567 r225 top
T934 "B19H1PT--H9C000214U1930" LED0603W 130.791,71.567 r225 top
T935 "B19H1PT--H9C000214U1930" LED0603W 130.791,69.567 r225 top
T936 "B19H1PT--H9C000214U1930" LED0603W 130.791,67.567 r225 top
T937 "B19H1PT--H9C000214U1930" LED0603W 130.791,65.567 r225 top
T938 "B19H1PT--H9C000214U1930" LED0603W 130.791,63.567 r225 top
T939 "B19H1PT--H9C000214U1930" LED0603W 130.791,61.567 r225 top
T940 "B19H1PT--H9C000214U1930" LED0603W 130.791,59.567 r225 top
T941 "B19H1PT--H9C000214U1930" LED0603W 130.791,57.567 r225 top
T942 "B19H1PT--H9C000214U1930" LED0603W 130.791,55.567 r225 top
T943 "B19H1PT--H9C000214U1930" LED0603W 130.791,53.567 r225 top
T944 "B19H1PT--H9C000214U1930" LED0603W 130.791,51.567 r225 top
T945 "B19H1PT--H9C000214U1930" LED0603W 130.791,49.567 r225 top
T946 "B19H1PT--H9C000214U1930" LED0603W 130.791,47.567 r225 top
T947 "B19H1PT--H9C000214U1930" LED0603W 130.791,45.567 r225 top
T948 "B19H1PT--H9C000214U1930" LED0603W 130.791,43.567 r225 top
T949 "B19H1PT--H9C000214U1930" LED0603W 130.791,41.567 r225 top
T950 "B19H1PT--H9C000214U1930" LED0603W 130.791,39.567 r225 top
T951 "B19H1PT--H9C000214U1930" LED0603W 130.791,37.567 r225 top
T952 "B19H1PT--H9C000214U1930" LED0603W 130.791,35.567 r225 top
T953 "B19H1PT--H9C000214U1930" LED0603W 130.791,33.567 r225 top
T954 "B19H1PT--H9C000214U1930" LED0603W 130.791,31.568 r225 top
T955 "B19H1PT--H9C000214U1930" LED0603W 130.791,29.568 r225 top
T956 "B19H1PT--H9C000214U1930" LED0603W 130.791,27.568 r225 top
T957 "B19H1PT--H9C000214U1930" LED0603W 130.791,25.568 r225 top
T958 "B19H1PT--H9C000214U1930" LED0603W 130.791,23.568 r225 top
T959 "B19H1PT--H9C000214U1930" LED0603W 130.791,21.568 r225 top
T960 "B19H1PT--H9C000214U1930" LED0603W 130.791,19.568 r225 top
T961 "B19H1PT--H9C000214U1930" LED0603W 128.791,81.567 r225 top
T962 "B19H1PT--H9C000214U1930" LED0603W 128.791,79.567 r225 top
T963 "B19H1PT--H9C000214U1930" LED0603W 128.791,77.567 r225 top
T964 "B19H1PT--H9C000214U1930" LED0603W 128.791,75.567 r225 top
T965 "B19H1PT--H9C000214U1930" LED0603W 128.791,73.567 r225 top
T966 "B19H1PT--H9C000214U1930" LED0603W 128.791,71.567 r225 top
T967 "B19H1PT--H9C000214U1930" LED0603W 128.791,69.567 r225 top
T968 "B19H1PT--H9C000214U1930" LED0603W 128.791,67.567 r225 top
T969 "B19H1PT--H9C000214U1930" LED0603W 128.791,65.567 r225 top
T970 "B19H1PT--H9C000214U1930" LED0603W 128.791,63.567 r225 top
T971 "B19H1PT--H9C000214U1930" LED0603W 128.791,61.567 r225 top
T972 "B19H1PT--H9C000214U1930" LED0603W 128.791,59.567 r225 top
T973 "B19H1PT--H9C000214U1930" LED0603W 128.791,57.567 r225 top
T974 "B19H1PT--H9C000214U1930" LED0603W 128.791,55.567 r225 top
T975 "B19H1PT--H9C000214U1930" LED0603W 128.791,53.567 r225 top
T976 "B19H1PT--H9C000214U1930" LED0603W 128.791,51.567 r225 top
T977 "B19H1PT--H9C000214U1930" LED0603W 128.791,49.567 r225 top
T978 "B19H1PT--H9C000214U1930" LED0603W 128.791,47.567 r225 top
T979 "B19H1PT--H9C000214U1930" LED0603W 128.791,45.567 r225 top
T980 "B19H1PT--H9C000214U1930" LED0603W 128.791,43.567 r225 top
T981 "B19H1PT--H9C000214U1930" LED0603W 128.791,41.567 r225 top
T982 "B19H1PT--H9C000214U1930" LED0603W 128.791,39.567 r225 top
T983 "B19H1PT--H9C000214U1930" LED0603W 128.791,37.567 r225 top
T984 "B19H1PT--H9C000214U1930" LED0603W 128.791,35.567 r225 top
T985 "B19H1PT--H9C000214U1930" LED0603W 128.791,33.567 r225 top
T986 "B19H1PT--H9C000214U1930" LED0603W 128.791,31.567 r225 top
T987 "B19H1PT--H9C000214U1930" LED0603W 128.791,29.567 r225 top
T988 "B19H1PT--H9C000214U1930" LED0603W 128.791,27.567 r225 top
T989 "B19H1PT--H9C000214U1930" LED0603W 128.791,25.568 r225 top
T990 "B19H1PT--H9C000214U1930" LED0603W 128.791,23.568 r225 top
T991 "B19H1PT--H9C000214U1930" LED0603W 128.791,21.568 r225 top
T992 "B19H1PT--H9C000214U1930" LED0603W 128.791,19.568 r225 top
T993 "B19H1PT--H9C000214U1930" LED0603W 126.791,81.568 r225 top
T994 "B19H1PT--H9C000214U1930" LED0603W 126.791,79.568 r225 top
T995 "B19H1PT--H9C000214U1930" LED0603W 126.791,77.568 r225 top
T996 "B19H1PT--H9C000214U1930" LED0603W 126.791,75.568 r225 top
T997 "B19H1PT--H9C000214U1930" LED0603W 126.791,73.568 r225 top
T998 "B19H1PT--H9C000214U1930" LED0603W 126.791,71.568 r225 top
T999 "B19H1PT--H9C000214U1930" LED0603W 126.791,69.568 r225 top
T1000 "B19H1PT--H9C000214U1930" LED0603W 126.791,67.568 r225 top
T1001 "B19H1PT--H9C000214U1930" LED0603W 126.791,65.568 r225 top
T1002 "B19H1PT--H9C000214U1930" LED0603W 126.791,63.568 r225 top
T1003 "B19H1PT--H9C000214U1930" LED0603W 126.791,61.568 r225 top
T1004 "B19H1PT--H9C000214U1930" LED0603W 126.791,59.568 r225 top
T1005 "B19H1PT--H9C000214U1930" LED0603W 126.791,57.568 r225 top
T1006 "B19H1PT--H9C000214U1930" LED0603W 126.791,55.568 r225 top
T1007 "B19H1PT--H9C000214U1930" LED0603W 126.791,53.568 r225 top
T1008 "B19H1PT--H9C000214U1930" LED0603W 126.791,51.568 r225 top
T1009 "B19H1PT--H9C000214U1930" LED0603W 126.791,49.568 r225 top
T1010 "B19H1PT--H9C000214U1930" LED0603W 126.791,47.568 r225 top
T1011 "B19H1PT--H9C000214U1930" LED0603W 126.791,45.568 r225 top
T1012 "B19H1PT--H9C000214U1930" LED0603W 126.791,43.568 r225 top
T1013 "B19H1PT--H9C000214U1930" LED0603W 126.791,41.568 r225 top
T1014 "B19H1PT--H9C000214U1930" LED0603W 126.791,39.568 r225 top
T1015 "B19H1PT--H9C000214U1930" LED0603W 126.791,37.568 r225 top
T1016 "B19H1PT--H9C000214U1930" LED0603W 126.791,35.568 r225 top
T1017 "B19H1PT--H9C000214U1930" LED0603W 126.791,33.568 r225 top
T1018 "B19H1PT--H9C000214U1930" LED0603W 126.791,31.568 r225 top
T1019 "B19H1PT--H9C000214U1930" LED0603W 126.791,29.568 r225 top
T1020 "B19H1PT--H9C000214U1930" LED0603W 126.791,27.568 r225 top
T1021 "B19H1PT--H9C000214U1930" LED0603W 126.791,25.568 r225 top
T1022 "B19H1PT--H9C000214U1930" LED0603W 126.791,23.568 r225 top
T1023 "B19H1PT--H9C000214U1930" LED0603W 126.791,21.568 r225 top
T1024 "B19H1PT--H9C000214U1930" LED0603W 126.791,19.568 r225 top
TP18 "Test Point" TEST_POINT_0R5#1 157.861,99.441 r270 top
TP19 "Test Point" TEST_POINT_0R5#2 151.629,100.679 r270 top
TP20 "Test Point" TEST_POINT_0R5#1 157.861,101.917 r270 top
TP21 "Test Point" TEST_POINT_0R5#1 157.861,103.156 r270 top
TP22 "Test Point" TEST_POINT_0R5#1 157.861,104.394 r270 top
TP23 "Test Point" TEST_POINT_0R5#1 151.765,105.537 r270 top
TP24 "Test Point" TEST_POINT_0R5#1 181.864,100.076 r270 top
TP25 "Test Point" TEST_POINT_0R5#1 189.357,17.907 r270 top
TP26 "Test Point" TEST_POINT_0R5#1 187.357,17.907 r270 top
TP27 "Test Point" TEST_POINT_0R5#1 185.357,17.907 r270 top
TP28 "Test Point" TEST_POINT_0R5#1 183.357,17.907 r270 top
TP29 "Test Point" TEST_POINT_0R5#1 181.357,17.907 r270 top
TP30 "Test Point" TEST_POINT_0R5#1 179.357,17.907 r270 top
TP31 "Test Point" TEST_POINT_0R5#1 177.357,17.907 r270 top
TP32 "Test Point" TEST_POINT_0R5#1 175.357,17.907 r270 top
TP33 "Test Point" TEST_POINT_0R5#1 173.357,17.907 r270 top
TP34 "Test Point" TEST_POINT_0R5#1 171.357,17.907 r270 top
TP35 "Test Point" TEST_POINT_0R5#1 169.357,17.907 r270 top
TP36 "Test Point" TEST_POINT_0R5#1 167.357,17.907 r270 top
TP37 "Test Point" TEST_POINT_0R5#1 165.357,17.907 r270 top
TP38 "Test Point" TEST_POINT_0R5#1 163.357,17.907 r270 top
TP39 "Test Point" TEST_POINT_0R5#1 161.357,17.907 r270 top
TP40 "Test Point" TEST_POINT_0R5#1 159.357,17.907 r270 top
TP41 "Test Point" TEST_POINT_0R5#1 157.357,17.907 r270 top
TP42 "Test Point" TEST_POINT_0R5#1 155.357,17.907 r270 top
TP43 "Test Point" TEST_POINT_0R5#1 153.357,17.907 r270 top
TP44 "Test Point" TEST_POINT_0R5#1 151.357,17.907 r270 top
TP45 "Test Point" TEST_POINT_0R5#1 149.357,17.907 r270 top
TP46 "Test Point" TEST_POINT_0R5#1 147.357,17.907 r270 top
TP47 "Test Point" TEST_POINT_0R5#1 145.357,17.907 r270 top
TP48 "Test Point" TEST_POINT_0R5#1 143.357,17.907 r270 top
TP49 "Test Point" TEST_POINT_0R5#1 141.357,17.907 r180 top
TP50 "Test Point" TEST_POINT_0R5#1 139.357,17.907 r270 top
TP51 "Test Point" TEST_POINT_0R5#1 137.357,17.907 r270 top
TP52 "Test Point" TEST_POINT_0R5#1 135.357,17.907 r270 top
TP53 "Test Point" TEST_POINT_0R5#1 133.357,17.907 r270 top
TP54 "Test Point" TEST_POINT_0R5#1 131.357,17.907 r270 top
TP55 "Test Point" TEST_POINT_0R5#1 129.357,17.907 r270 top
TP56 "Test Point" TEST_POINT_0R5#1 127.357,17.907 r270 top
TP57 "Test Point" TEST_POINT_0R5#1 138.43,102.303 r180 top
U5 "STM32G474VE" LQFP100 111.652,97.287 r135 top
U6 "LF33" TO-252 149.797,113.252 r90 top
U7 "USBUFxxW6" SOT23-6L 162.984,108.011 r270 top